# KiCad board ulx4m_panel.kicad_pcb (continued)
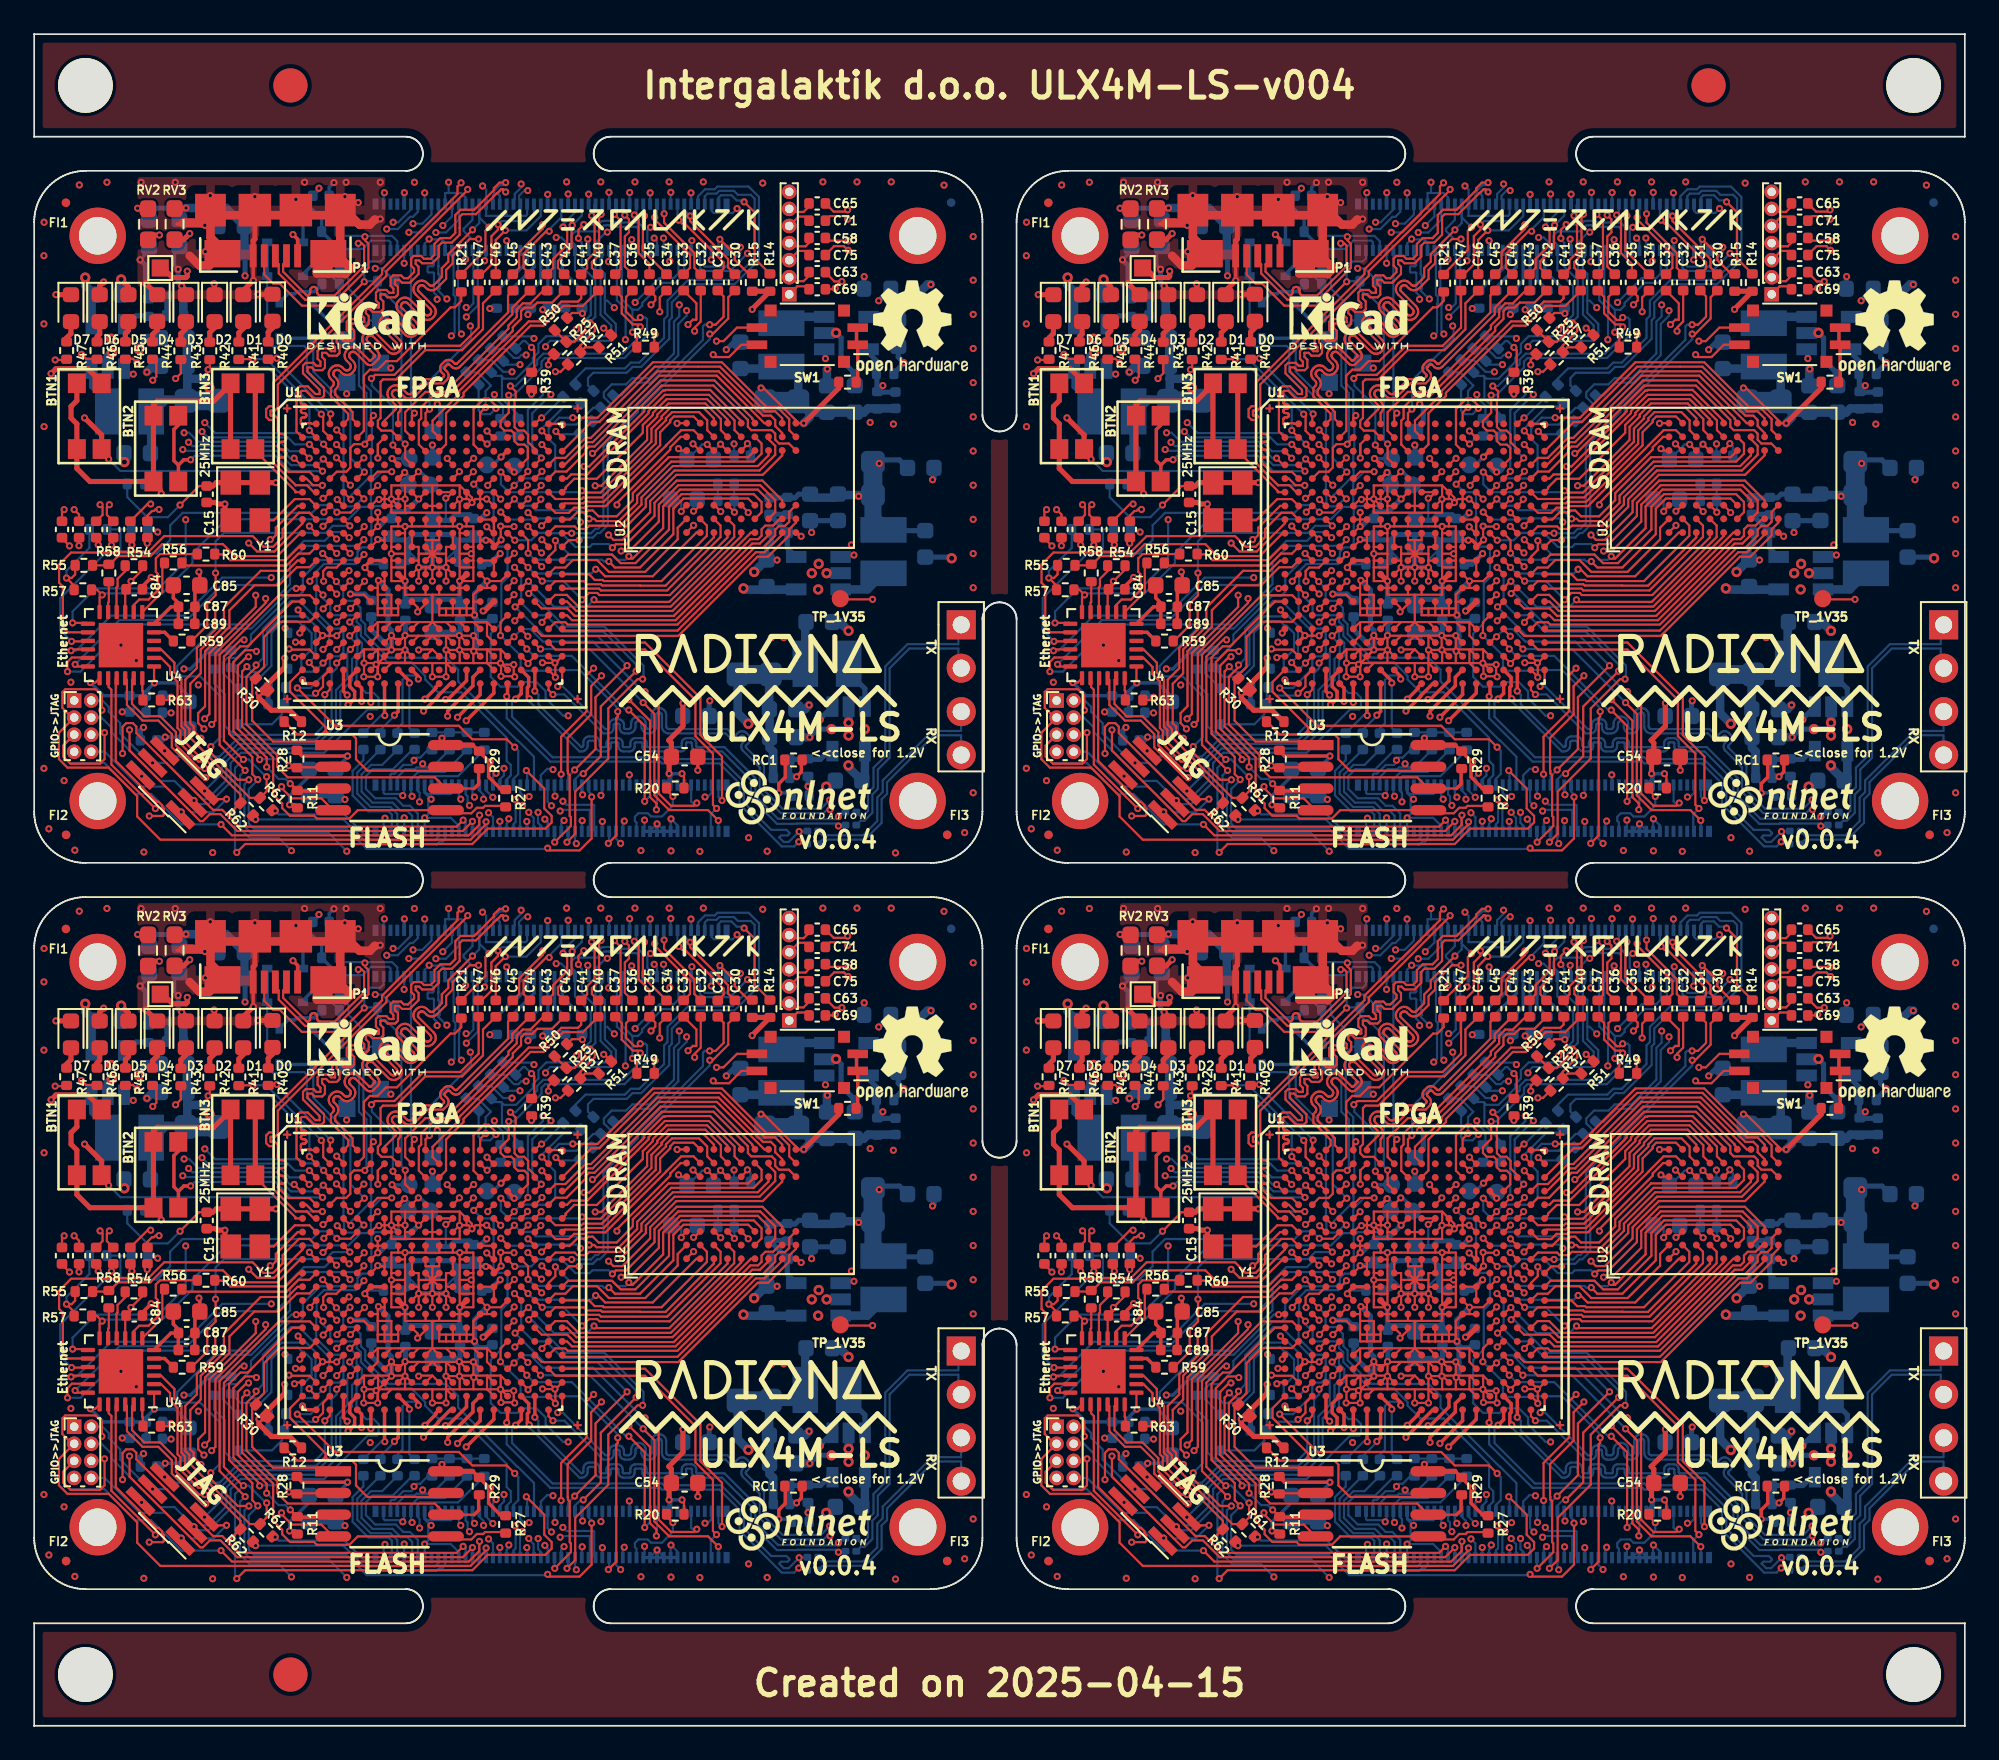
[diagram p0: board, top side]
## Routing (per net, layer and track width the routed paths; a pad name or vN(x,y) marks a point on that pad's centre or on a via; arc(x,y) is an arc through that point) (continued)
  Bottom w0.2: 45.34,54.45 45.34,54.94 v3(45.3,54.98) ; v1(5.15,59.34) 5.17,59.33 C86#4.2 ; C18#2.2 17.27,90.04 v1(17.55,90.32) ; C88#3.2 8,59.3 v1(8.02,59.28) ; v1(32.09,82.66) 32.07,82.68 R9.1 32.11,82.94 ; C49#4.2 6.73,86.33 v1(6.2,85.8) ; v3(8.43,85.24) 8.22,85.45 8.22,86.28 C53.2 ; v1(8.02,60.19) 7.92,60.29 C90#4.2 ; v1(21.67,89.73) 21.66,89.71 J2#2.8 ; v1(9.99,87.82) 10.04,87.77 C38.2
  Bottom w0.3: v1(26.51,67) 25.78,66.27 v1(25.78,65.01) 25.78,64.88 25.9,64.77 ; v1(23.31,67.8) 23.31,69.68 23.36,69.72 ; v1(23.31,67.8) v1(22.51,67.8) ; v1(23.31,67.8) v1(24.11,67.8) ; 25.9,64.77 25.9,64.63 ; 25.9,64.77 25.71,64.95 ; 25.9,64.63 25.9,63.75 ; 25.9,64.63 26.52,64.63 26.68,64.8 C29#3.2 ; v1(49.44,83.4) 49.44,83.4 C52#4.2 ; v1(45.51,69.84) 45.51,70.44 C95#4.2 47.05,70.53 C96#3.2 ; 25.9,63.75 25.85,63.8 v1(25.71,63.8) ; 25.9,63.75 25.89,63.24 ; 23.36,69.72 24.39,69.72 24.71,69.4 ; 23.36,69.72 22.21,69.72 21.91,69.42 ; 43.16,69.83 43.16,69.33 42.88,69.05 C76.2 43.48,68.23 v1(43.49,68.23) ; 6.69,83.48 6.69,84.26 v3(6.53,84.42) 6.53,85.47 v1(6.2,85.8) ; 25.6,69.4 25.61,69.4 25.75,69.4 ; C19#2.2 23.81,76.23 23.81,77.15 v3(23.6,77.36) ; 25.75,69.4 26.51,69.4 ; 25.75,69.4 25.73,69.42 C25#2.2 ; C13#3.2 24.75,67.98 24.71,68.02 24.71,69.4 ; v1(21.71,63.82) 21.73,63.83 C27.2 ; v1(39.55,59.99) 39.52,59.95 C16#3.2 ; v3(8.43,85.24) 8.43,84.48 v1(8.64,84.27) ; 26.51,69.4 24.71,69.4 ; 26.51,69.4 26.45,69.4 v1(26.44,69.39) ; C48#2.2 10.05,86.24 v1(10.02,86.27) ; v2(53.71,68.33) 53.64,68.4 C97.2 ; C24.2 40.96,80.98 v1(40.51,80.54) ; 19.74,64.93 19.74,64.14 v1(20.91,62.97) 20.91,64.1 20.71,64.31 20.71,66.48 v1(20.15,67.04) ; 20.94,69.4 21.91,69.4 21.91,68.08 ; v2(6.13,80.55) 6.13,80.76 6.59,81.22 ; 45.3,55.6 v3(45.3,54.98) ; v1(52.59,72.93) 52.67,73.01 C98.2 ; 46.65,55.32 46.65,55.06 ; v2(46.94,81.53) 47.24,81.23 47.24,79.95 48.02,79.17 ; v1(6.4,58.43) 6.22,58.25 C21.2 ; 50.3,79.13 50.92,79.75 v3(50.92,79.77) 50.58,80.11 C9#3.2 ; v1(25.73,62.89) 25.73,63.02 25.92,63.21 ; v3(18.19,54.21) 17.99,54.42 C51#3.2 C50#3.2 ; C17.2 24.69,64 v1(24.88,63.81) 24.93,63.86 C28#3.2 ; v2(46.68,58.33) 45.88,58.33 v3(45.4,57.86) ; 20.93,69.43 20.12,69.43 v1(20.11,69.43)
  Bottom w0.5: C8.2 46.41,79.38 v3(46.43,79.4) ; v2(47.67,58.71) 47.68,58.71 U5#3.2 ; C23#3.2 5.26,73.98 v2(5.28,73.96) ; v2(42.15,67.53) 42.85,68.23 C76.2 ; C3.2 v3(45.4,57.86) ; C4#3.2 45.12,59.49 v3(45.37,59.74) ; v2(4.54,80.36) 4.31,80.13 U6#3.2 ; v2(46.37,54.96) 46.55,54.96 C5.2 ; v2(47.67,64.08) 47.16,64.6 C22#2.2 ; C12#4.2 6.96,79.59 v3(6.6,79.23) ; 48.02,79.17 48.04,79.15 C7.2 ; 47.21,67.45 46.39,67.45 v2(46.39,67.46) ; C11.2 6.59,81.22 ; U7#4.2 46.97,81.51 ; C1#2.2 v2(5.09,84.65)
  vias: v1(0.58,88) v1(0.57,86.04) v1(0.57,82.05) v1(0.58,76.04) v1(0.57,56.04) v1(0.86,52.5) v1(1.75,55.32) v1(2.15,61.08) v1(2.38,51.25) v1(2.64,90.18) v1(4.26,90.34) v1(5.08,63.25) v1(5.98,62.35) v1(6.26,90.34) v1(6.42,51.14) v1(8.26,90.34) v1(10.45,51.11) v1(15.83,90.34) v1(18.26,90.34) v1(18.97,89.15) v1(20.26,90.34) v1(22.26,90.34) v1(31.17,90.36) v1(33.17,90.36) v1(35.17,90.36) v1(35.52,51.23) v1(37.17,90.36) v1(37.28,51.21) v1(38.97,51.18) v1(39.17,90.36) v1(41.82,51.98) v1(42.65,90.29) v1(42.91,51.19) v1(43.15,63.68) v1(43.88,63.68) v1(46.17,90.36) v1(47.84,69.11) v1(48.17,90.36) v1(48.94,76.28) v1(50.17,90.36) v1(50.3,76.18) v1(50.42,51.09) v1(53.26,90.17) v1(54.47,52.28) v1(54.97,87.16) v1(54.97,84.61) v1(54.97,82.61) v1(54.97,80.61) v1(54.97,78.61) v1(54.97,76.61) v1(54.97,74.61) v1(54.97,72.61) v1(54.97,70.61) v1(54.97,68.61) v1(54.97,66.61) v1(54.97,54.61) v2(4.51,81.18) v2(45.52,67.46) v2(45.93,68.01) v2(45.9,66.51) v2(47.67,57.96) v2(48.63,58.33)
Board_0-GP0: length 13.4
  Top w0.127: U1#2.B11 23.32,75.79 23.32,76.38 24.88,77.94 24.88,78.12 28.95,82.19 29.71,82.19 30.86,83.35 31.83,83.35 32.02,83.54 C41#3.1
Board_0-GP3: length 13.3
  Top w0.127: C43.1 29.8,84 29.05,83.25 28.61,83.25 28.25,82.89 28.25,82.44 27.76,81.96 27.76,81.77 24.06,78.07 22.91,78.07 21.72,76.88 21.72,75.79 U1#2.B9
Board_0-GP4: length 13.9
  Top w0.127: C45.1 27.74,83.72 27.74,82.72 24.76,79.74 24.74,79.72 24.72,79.71 24.69,79.7 24.67,79.7 24.65,79.71 24.62,79.72 24.6,79.74 24.5,79.84 24.44,79.89 24.37,79.92 24.3,79.94 24.22,79.94 24.14,79.92 24.07,79.89 24.01,79.84 23.86,79.69 23.81,79.63 23.78,79.56 23.76,79.48 23.76,79.41 23.78,79.33 23.81,79.26 23.86,79.2 23.97,79.1 23.98,79.08 23.99,79.05 24,79.03 24,79.01 23.99,78.98 23.98,78.96 23.97,78.94 23.84,78.82 22.94,78.82 22.12,78 22.08,77.97 22.04,77.95 21.99,77.94 21.94,77.94 21.89,77.95 21.84,77.97 21.8,78 21.48,78.32 21.4,78.38 21.31,78.43 21.22,78.45 21.12,78.45 21.02,78.43 20.93,78.38 20.85,78.32 20.81,78.28 20.75,78.2 20.7,78.11 20.68,78.01 20.68,77.91 20.7,77.82 20.75,77.72 20.81,77.65 21.13,77.32 21.16,77.29 21.18,77.24 21.19,77.19 21.19,77.14 21.18,77.09 21.16,77.05 21.13,77.01 20.51,76.39 U1#2.A7
Board_0-GP5: length 14.6
  Top w0.127: U1#2.C8 21,74.91 v1(21,74.96) ; C47#4.1 26.02,81.84 24.95,80.77 22.79,80.77 21.09,79.06 19.95,79.06 v1(19.74,78.86)
  Bottom w0.127: v1(21,74.96) 21,77.21 19.77,78.44 19.77,78.92
Board_0-GPIO2: length 19.7
  Top w0.127: v1(28.12,67.8) 28.51,67.41 U1#2.M17 ; v1(32.14,55.72) 33.17,56.75 33.17,59.66 v1(35.24,61.73)
  Bottom w0.127: v1(32.14,55.72) 31.99,55.72 31.66,55.39 J1.58 ; v1(28.12,67.8) 28.51,67.41 28.51,65.73 29.24,65 29.96,65 30.92,64.04 33.32,64.04 35.24,62.12 v1(35.24,61.73)
Board_0-GPIO3: length 16.9
  Top w0.127: v1(28.15,65.49) 28.2,65.49 U1#2.P17 ; v1(31.64,55.94) 32.86,57.16 32.86,60.2 v1(34.71,62.05)
  Bottom w0.127: v1(31.64,55.94) 31.26,55.56 J1.56 ; v1(28.15,65.49) 29.87,63.77 32.99,63.77 v1(34.71,62.05)
Board_0-GPIO4: length 14.9
  Top w0.127: U1#2.P16 27.71,65.82 v1(28.09,66.2) ; v1(32.75,61.9) 32.35,61.5 32.35,59.39 30.85,57.88 v1(30.85,55.69)
  In2signal.Cu w0.127: v1(28.09,66.2) 28.09,66.12 28.72,65.49 29.48,65.49 30.89,64.08 30.89,63.7 32.69,61.9 v1(32.75,61.9)
  Bottom w0.127: v1(30.85,55.69) 30.86,55.68 J1.54
Board_0-GPIO5: length 46.6
  Top w0.127: U1#2.N1 15.37,66.6 v1(15.34,66.57)
  In2signal.Cu w0.127: v1(10.34,57.31) 10.34,56.98 7.44,54.08 6.9,54.08 6.34,53.51 6.34,53.08 6.57,52.85 6.91,52.85 7.09,53.03 7.77,53.03 8.44,52.35 11.66,52.35 11.87,52.57 23.22,52.57 24.07,53.41 25.6,53.41 25.88,53.69 26.26,53.69 26.4,53.84 26.92,53.84 27.25,54.17 27.25,55.54 v1(27.04,55.75)
  Bottom w0.127: v1(15.34,66.57) 15.06,66.57 12.71,64.22 10.56,64.22 8.37,62.03 8.37,61.7 8.65,61.42 9.72,61.42 10.9,60.24 10.9,57.87 v1(10.34,57.31) ; v1(27.04,55.75) 26.86,55.57 J1.34
Board_0-GPIO6: length 21.3
  Top w0.127: v1(15.45,65.31) 15.45,65.26 U1#2.R1
  In2signal.Cu w0.127: v1(15.45,65.31) 15.81,64.95 15.81,64.29 16.7,63.4 18.28,63.4 19.34,63.4 20.49,62.25 20.74,62.25 20.81,62.31 24.5,62.31 25.27,61.54 25.27,60.13 26.63,58.77 26.63,57.07 26.23,56.67 26.23,54.3 v1(26.31,54.23) 26.31,54.32 26.3,54.32
  Bottom w0.127: J1.30 26.06,54.74 26.31,54.49 v1(26.31,54.23)
Board_0-GPIO7: length 21.6
  Top w0.127: U1#2.P3 16.92,65.41 v1(16.92,65.37)
  In2signal.Cu w0.127: v1(16.92,65.37) 16.92,64.71 17.43,64.2 18.28,64.2 18.9,64.2 20.53,62.57 24.63,62.57 25.52,61.68 25.52,60.24 26.9,58.86 26.9,57.16 27.63,56.44 27.69,56.44 27.9,56.23 27.9,54.54 27.76,54.39 27.76,53.11 v1(27.79,53.08)
  Bottom w0.127: v1(27.79,53.08) 27.79,52.93 27.66,52.8 J1.37
Board_0-GPIO8: length 21.2
  Top w0.127: v1(17.73,65.4) 17.73,65.42 U1#2.P4
  In2signal.Cu w0.127: v1(17.73,65.4) 18.13,65 18.71,65 20.34,63.37 25.09,63.37 25.3,63.16 25.3,62.29 25.79,61.8 25.79,60.33 27.16,58.96 27.16,57.27 27.73,56.69 27.8,56.69 28.16,56.33 28.16,54.2 v1(28.16,54.2)
  Bottom w0.127: J1.39 28.06,52.76 28.19,52.89 28.19,54.17 v1(28.16,54.2)
Board_0-GPIO9: length 29.9
  Top w0.127: U1#2.L5 18.95,68.2 v1(19.31,68.55) ; v1(28.13,57.27) 27.67,57.74 25.65,57.74 24.86,58.53 17.61,58.53 v1(15.4,60.74)
  Bottom w0.127: v1(15.4,60.74) 16.18,60.74 17.31,61.87 17.31,62.4 17.5,62.59 17.85,62.59 18.1,62.84 18.1,63.65 18.1,63.65 18.1,63.98 17.86,64.22 17.47,64.22 16.51,65.18 16.51,66.7 16.54,66.73 16.54,67.58 16.96,68 18.83,68 19.31,68.47 v1(19.31,68.55) ; J1.40 28.06,55.42 28.34,55.7 28.34,57.07 v1(28.13,57.27)
Board_0-GPIO10: length 63.8
  Top w0.127: v3(13.61,55.55) 13.61,54.7 R61.2 12.63,54.31 10.25,56.68 9.72,56.68 8.83,57.57 8.83,58.28 8.62,58.49 8.62,60.54 8.62,61.24 8.21,61.65 8.21,62.22 7.43,63 U4.3 ; v1(28.81,55.91) 29.86,54.86 29.86,53.69 30.29,53.25 30.29,52.87 29.93,52.51 26.55,52.51 25.65,51.61 12.35,51.61 v1(11.86,51.12) ; v1(12.25,56.56) 12.21,56.56 11.11,57.66 11.11,62.58 12.09,63.56 v1(12.29,63.56) ; v1(18.49,68.62) 18.49,68.62 U1#2.K4
  In2signal.Cu w0.127: v1(12.29,63.56) 12.54,63.81 12.54,66.55 15.22,69.23 17.15,69.23 17.38,69 18.11,69 v1(18.49,68.62)
  Bottom w0.127: v1(11.86,51.12) 11.76,51.22 11.76,56.06 v1(12.25,56.56) 12.56,56.56 13.57,55.55 v3(13.61,55.55) ; v1(28.81,55.91) 28.86,55.86 J1.44
Board_0-GPIO11: length 18.8
  Top w0.127: v1(16.91,66.18) 16.91,66.2 U1#2.N2
  Bottom w0.127: v1(16.91,66.18) 16.91,65.99 17.33,65.57 17.33,65.01 17.34,65 18.71,65 18.88,64.83 18.88,64.61 19.13,64.36 19.13,63.79 20.67,62.24 22.09,62.24 22.89,61.44 22.89,61.24 23.64,60.49 25,60.49 27.66,57.83 27.66,56.47 27.9,56.23 27.9,55.63 27.66,55.38 J1.38
Board_0-GPIO12: length 57.9
  Top w0.127: U1#2.L2 16.12,67.81 15.38,67.81 14.32,66.75 12.89,66.75 11.43,65.29 11.43,64.32 10,62.89 10,59.67 9.6,59.27 9.6,58.69 v1(9.94,58.35) ; v3(26.45,52.91) 26.45,52.77 25.54,51.86 7.39,51.86 6.03,53.22 6.03,54.41 4.36,56.08 1.95,56.08 1.45,56.58 1.45,58.12 J6#2.3 2.22,59.01 1.65,59.58 1.65,60.5 1.82,60.67 3.59,60.67 3.96,60.29 v1(3.96,59.44)
  In2signal.Cu w0.127: v1(9.94,58.35) 9.73,58.56 7.14,58.56 6.47,57.88 5.4,57.88 4.24,59.05 4.13,59.05 4.13,59.28 v1(3.96,59.44)
  Bottom w0.127: v3(26.45,52.91) 26.46,52.9 26.46,52.5
Board_0-GPIO13: length 21.1
  Top w0.127: v1(15.55,63.96) 15.55,64.04 U1#2.T1
  In2signal.Cu w0.127: v1(15.55,63.96) 15.55,63.79 16.74,62.6 17.26,62.6 17.31,62.55 17.31,61.61 17.64,61.28 18.67,61.28 19.08,60.87 20.8,60.87 21.99,62.06 24.39,62.06 25.01,61.43 25.01,60.03 26.36,58.68 26.36,57.21 25.77,56.62 v1(25.77,54.35)
  Bottom w0.127: J1.28 25.66,54.47 v1(25.77,54.35)
Board_0-GPIO14: length 22
  Top w0.127: U1#2.N18 29.28,66.6 v1(28.95,66.27) ; v1(31.19,51.72) 31.67,52.2 31.67,54.67 33.61,56.61 33.61,59.54 35.32,61.26 v1(35.62,61.26)
  Bottom w0.127: v1(31.19,51.72) 31.26,51.78 J1.55 ; v1(28.95,66.27) 29.12,66.27 31.06,64.33 33.39,64.33 35.67,62.05 35.67,61.31 v1(35.62,61.26)
Board_0-GPIO15: length 20.6
  Top w0.127: U1#2.N16 27.71,66.63 v1(28.1,67.02) ; v1(33.21,61.46) 32.61,60.85 32.61,59.19 31.23,57.82 31.23,55.9 31.25,55.88 31.25,55.73 31.35,55.63 31.35,53.25 31.42,53.18 31.42,52.66 v1(30.47,51.72)
  In2signal.Cu w0.127: v1(33.21,61.46) 33.41,61.66 33.41,61.9 31.14,64.17 31.14,64.31 29.71,65.74 28.88,65.74 28.53,66.09 28.53,66.59 v1(28.1,67.02)
  Bottom w0.127: v1(30.47,51.72) 30.46,51.73 J1.51
Board_0-GPIO16: length 56.1
  Top w0.127: v1(4.12,58.13) 4.12,56.58 3.85,56.31 2.13,56.31 1.7,56.74 1.7,57.37 J6#2.5 ; v1(9.76,57.8) 9.34,58.22 9.34,58.48 9.14,58.68 9.14,60.99 9.75,61.6 9.75,62.99 11.11,64.35 11.11,65.45 13.26,67.6 14.82,67.6 15.42,68.2 U1#2.L1 ; v3(26.07,53.29) 26.05,53.28 26.05,52.73 25.44,52.11 11.58,52.11 v1(10.94,52.75)
  In2signal.Cu w0.127: v1(4.12,58.13) 4.24,58.25 4.68,58.25 5.3,57.63 6.57,57.63 7.25,58.31 9.25,58.31 v1(9.76,57.8)
  Bottom w0.127: J6#2.5 1.72,57.39 1.72,56.71 2.09,56.35 4.12,56.35 5.93,54.54 6.84,54.54 8.63,52.75 v1(10.94,52.75) ; v3(26.07,53.29) 26.05,53.28 26.05,52.5 26.06,52.5
Board_0-GPIO17: length 67.2
  Top w0.127: U1#2.H3 16.92,70.21 v1(16.91,70.21)
  In2signal.Cu w0.127: v1(16.91,70.21) 16.07,71.05 8.62,71.05 8.35,70.78 1.4,70.78 0.87,70.25 0.87,56.33 1.04,56.16 1.04,53.18 2.68,51.54 6.61,51.54 6.64,51.51 11.89,51.51 12.19,51.81 29.17,51.81 30.33,52.96 30.33,53.8 v1(30.28,53.85)
  Bottom w0.127: v1(30.28,53.85) 30.06,54.07 J1.50
Board_0-GPIO18: length 25.4
  Top w0.127: U1#2.N5 18.95,66.6 v1(19.34,66.99)
  In2signal.Cu w0.127: v1(19.34,66.99) 20.35,65.98 26.48,65.98 26.94,65.52 26.94,64.04 26.9,64 26.9,63.61 26.9,63.61 26.9,60.82 26.98,60.74 28.71,60.74 29.13,61.16 29.29,61.16 29.71,60.74 29.71,59.32 29.72,59.31 29.72,55.24 29.88,55.08 29.88,53.6 30.07,53.41 30.07,53.24 v1(29.89,53.06)
  Bottom w0.127: J1.49 30.06,52.9 v1(29.89,53.06)
Board_0-GPIO19: length 21.9
  Top w0.127: v1(15.3,63.42) 15.32,63.4 U1#2.U1
  In2signal.Cu w0.127: v1(15.3,63.42) 15.52,63.42 16.5,62.44 16.5,61.61 17.11,61 18.58,61 18.97,60.61 20.9,60.61 22.09,61.8 24.29,61.8 24.76,61.33 24.76,59.92 26.11,58.57 26.11,57.33 25.37,56.59 25.37,53.97 v1(25.48,53.87)
  Bottom w0.127: J1.26 25.26,54.52 25.37,54.4 25.37,53.97 v1(25.48,53.87)
Board_0-GPIO20: length 48.1
  Top w0.127: v3(25.65,52.93) 25.09,52.37 11.89,52.37 10.9,53.35 10.28,53.35 9.88,52.94 9.72,52.94 5.58,57.08 v1(5.58,58.28) ; v1(9.98,58.94) 10.26,59.21 10.26,62.77 12.97,65.49 v1(12.97,66.17) ; U1#2.L3 16.9,68.61 v1(16.89,68.61)
  In2signal.Cu w0.127: v1(12.97,66.17) 13.59,66.79 14,66.79 15.15,67.94 16.22,67.94 v1(16.89,68.61) ; J6#2.1 2.99,60.66 4.48,60.66 5.58,59.56 v1(5.58,58.28) 6.13,58.83 9.88,58.83 v1(9.98,58.94)
  Bottom w0.127: 25.66,52.5 25.66,52.93 v3(25.65,52.93)
Board_0-GPIO21: length 62.3
  Top w0.127: 11.34,53.28 12.06,54.01 R62#4.2 12.08,54.5 10.15,56.43 9.61,56.43 8.56,57.48 8.56,58.23 8.39,58.4 8.39,61.11 7.96,61.54 7.96,61.97 7.43,62.5 U4.2 ; 11.34,53.28 11.99,52.62 24.73,52.62 v3(25.11,53) ; 11.34,53.28 11.01,53.61 10.47,53.61 5.98,58.09 5.98,58.48 5.77,58.68 5.39,58.68 5.17,58.47 v1(5.17,56.91) ; U1#2.L4 17.7,67.79 17.12,67.79 16.92,67.58 16.92,67.01 v1(16.94,66.99) ; v1(13.55,65.98) 13.55,65.72 10.61,62.78 10.61,58.83 v1(10.39,58.61)
  In2signal.Cu w0.127: v1(13.55,65.98) 15.01,67.44 16.48,67.44 16.93,66.99 v1(16.94,66.99) ; v1(10.39,58.61) 10.39,57.89 8.96,56.46 7.52,56.46 7.07,56.91 v1(5.17,56.91) 4.79,56.91 4.27,56.39 2.96,56.39 J6#2.7
  Bottom w0.127: J1.25 25.26,52.86 v3(25.11,53)
Board_0-GPIO22: length 19.6
  Top w0.127: v1(17.69,66.97) 17.31,67.35 U1#2.M3
  Bottom w0.127: J1.46 29.26,56.71 28.31,57.66 28.28,57.66 24.82,61.12 24.82,61.81 24.12,62.51 20.93,62.51 20.92,62.52 20.76,62.52 19.38,63.9 19.38,64.47 19.13,64.72 19.13,65.1 19.1,65.13 19.1,65.44 18.7,65.84 18.15,65.84 18.09,65.9 18.09,66.56 17.69,66.96 v1(17.69,66.97)
Board_0-GPIO23: length 23.9
  Top w0.127: v1(18.49,67) 18.11,66.62 U1#2.N4
  In2signal.Cu w0.127: v1(18.49,67) 19.77,65.72 26.38,65.72 26.68,65.42 26.68,64.14 26.64,64.1 26.64,63.51 26.64,63.51 26.64,60.62 27.24,60.03 27.26,60.03 29.46,57.82 29.46,55.13 29.63,54.97 29.63,53.59 v1(29.5,53.46)
  Bottom w0.127: J1.47 29.66,52.68 29.49,52.85 29.49,53.46 v1(29.5,53.46)
Board_0-GPIO24: length 23.4
  Top w0.127: U1#2.N3 17.35,66.6 v1(17.71,66.24)
  In2signal.Cu w0.127: v1(28.95,53.46) 28.95,53.51 29.37,53.93 29.37,54.86 29.21,55.03 29.21,57.63 26.39,60.45 26.39,63.4 26.39,63.4 26.39,64.05 25.9,64.54 20.02,64.54 18.75,65.81 18.14,65.81 v1(17.71,66.24)
  Bottom w0.127: v1(28.95,53.46) 28.95,53.42 29.24,53.13 29.24,52.36 J1.45
Board_0-GPIO25: length 21.5
  Top w0.127: U1#2.P5 18.52,65.4 v1(18.52,65.4)
  In2signal.Cu w0.127: v1(18.52,65.4) 18.8,65.4 19.97,64.23 25.85,64.23 26.13,63.94 26.13,63.3 26.14,63.3 26.14,60.34 27.41,59.07 27.41,57.37 27.84,56.94 27.9,56.94 28.41,56.44 28.41,55.67 28.57,55.51 28.57,53.89 v1(28.59,53.87)
  Bottom w0.127: J1.41 28.44,52.36 28.44,53.72 v1(28.59,53.87)
Board_0-GPIO26: length 17.3
  Top w0.127: U1#2.V1 15.31,62.6 v1(15.24,62.52)
  In2signal.Cu w0.127: v1(24.97,54.23) 23.29,55.91 23.29,60.32 23.1,60.51 21.44,60.51 21.4,60.47 21.39,60.47 21.28,60.36 18.87,60.36 18.48,60.75 17,60.75 v1(15.24,62.52)
  Bottom w0.127: v1(24.97,54.23) 24.86,54.34 J1.24
Board_0-GPIO27: length 31.5
  Top w0.127: v1(28.14,64.67) 28.46,65 U1#2.R17
  In2signal.Cu w0.127: v1(30.37,55.97) 30.37,55.36 30.42,55.32 30.66,55.32 31.49,54.49 31.49,52.69 32.93,51.25 34.83,51.25 35.46,51.88 37.42,51.88 37.92,52.38 37.92,54.54 37.56,54.9 37.23,54.9 36.55,55.58 36.55,56.89 35.21,58.23 35.21,60.28 34.91,60.58 33.2,60.58 30.06,63.72 29.91,63.72 28.96,64.67 v1(28.14,64.67)
  Bottom w0.127: J1.48 29.66,55.63 30.03,56.01 30.33,56.01 v1(30.37,55.97)
Board_0-HDMI0_CEC: length 2.5
  Bottom w0.2: R8#4.2 30.46,84.61 30.46,86.2
Board_0-HDMI0_CLK_N: length 5.3
  Top w0.127: C30#4.2 40.62,85.36 40.62,85.84 38.4,88.06 v1(38.4,88.36)
  Bottom w0.127: J2#2.90 38.06,88.7 v1(38.4,88.36)
Board_0-HDMI0_CLK_P: length 5.5
  Top w0.127: v1(37.73,88.12) 37.94,87.91 38.1,87.91 40.36,85.65 40.36,85.3 C31#2.2
  Bottom w0.127: v1(37.73,88.12) 37.66,88.19 J2#2.88
Board_0-HDMI0_HOTPLUG: length 2.9
  Bottom w0.2: 30.86,86.2 30.86,85.67 30.92,85.6 30.92,84.88 31.19,84.88 R9.2
Board_0-HDMI0_SCL: length 6.9
  Top w0.127: R14#3.2 42.17,85.88 42.17,88.58 v1(41.56,89.19)
  Bottom w0.127: v1(41.56,89.19) 41.48,89.27 41.13,89.27 40.82,89.58 40.21,89.58 40.06,89.43 J2#2.100
Board_0-HDMI0_SDA: length 3.6
  Top w0.127: v1(40.14,87) 41.02,86.12 41.02,85.78 41.83,84.98 R15#4.2
  Bottom w0.127: J2#2.99 40.06,86.91 v1(40.14,87)
Board_0-HDMI0_TX0_N: length 5
  Top w0.127: v1(36.88,88.49) 36.88,87.97 38.65,86.2 38.65,85.33 C32.2
  Bottom w0.127: v1(36.88,88.49) 36.86,88.51 J2#2.84
Board_0-HDMI0_TX0_P: length 5.2
  Top w0.127: v1(36.33,88.28) 36.33,88.16 38.39,86.1 38.39,85.33 C33#4.2
  Bottom w0.127: J2#2.82 36.46,88.41 v1(36.33,88.28)
Board_0-HDMI0_TX1_N: length 5.1
  Top w0.127: C34.2 35.64,86.34 35.64,88.28 v1(35.73,88.37) 35.73,88.36 35.73,88.04
  Bottom w0.127: J2#2.78 35.66,88.44 v1(35.73,88.37)
Board_0-HDMI0_TX1_P: length 4.5
  Top w0.127: C35.2 36.02,85.56 35.38,86.19 35.38,88.17 v1(35.13,88.42)
  Bottom w0.127: v1(35.13,88.42) 35.26,88.55 J2#2.76
Board_0-HDMI0_TX2_N: length 4.5
  Top w0.127: v1(34.58,88.41) 34.82,88.17 34.82,87.41 34.58,87.17 34.58,85.4 C36#4.2
  Bottom w0.127: v1(34.58,88.41) 34.46,88.53 J2#2.72
Board_0-HDMI0_TX2_P: length 4.4
  Top w0.127: C37#4.2 34.32,85.26 34.32,88.09 v1(33.97,88.45)
  Bottom w0.127: J2#2.70 34.06,88.54 v1(33.97,88.45)
Board_0-HDMI1_CEC: length 2.2
  Bottom w0.2: 30.06,86.2 30.06,84.73 30.07,84.71 R16#3.2
Board_0-HDMI1_CLK_N: length 4.5
  Top w0.127: v1(33.19,88.47) 33.07,88.35 33.07,86.09 32.65,85.67 32.65,85.33 C40.2
  Bottom w0.127: v1(33.19,88.47) 33.26,88.54 J2#2.66
Board_0-HDMI1_CLK_P: length 4.6
  Top w0.127: 32.69,88.18 32.81,88.06 32.81,86.22 32.37,85.79 32.37,85.31 C41#3.2
  Top w0.2: v1(32.63,88.38) 32.63,88.24 32.69,88.18
  Bottom w0.127: J2#2.64 32.78,88.98 32.78,88.53 v1(32.63,88.38)
Board_0-HDMI1_HOTPLUG: length 3
  Bottom w0.2: R17#4.2 27.91,84.82 28.01,84.82 28.86,85.67 28.86,86.2
Board_0-HDMI1_SCL: length 2.5
  Bottom w0.2: R10#2.2 29.07,83.99 29.66,84.58 29.66,86.2
Board_0-HDMI1_SDA: length 2.7
  Bottom w0.2: 29.26,86.2 29.26,85.36 28.07,84.17 R13.2
Board_0-HDMI1_TX0_N: length 4.8
  Top w0.127: C42#2.2 30.66,85.32 30.66,85.72 31.46,86.52 31.46,87.78 v1(31.5,87.82)
  Bottom w0.127: v1(31.5,87.82) 32.06,88.38 J2#2.60
Board_0-HDMI1_TX0_P: length 5
  Top w0.127: v1(30.96,87.71) 31.2,87.47 31.2,86.67 30.38,85.85 30.38,85.32 C43.2
  Bottom w0.127: J2#2.58 31.66,88.57 30.96,87.87 v1(30.96,87.71)
Board_0-HDMI1_TX1_N: length 5.3
  Top w0.127: v1(30.15,87.47) 29.97,87.47 28.65,86.15 28.65,85.33 C44#4.2
  Bottom w0.127: v1(30.15,87.47) 30.15,87.58 30.86,88.28 J2#2.54
Board_0-HDMI1_TX1_P: length 5.1
  Top w0.127: v1(29.76,87.85) 29.76,87.62 28.39,86.25 28.39,85.33 C45.2
  Bottom w0.127: v1(29.76,87.85) 30.46,88.55 J2#2.52
Board_0-HDMI1_TX2_N: length 5.9
  Top w0.127: C46.2 27.02,86.96 v1(27.58,87.52)
  Bottom w0.127: v1(27.58,87.52) 28.82,87.52 29.66,88.36 J2#2.48
Board_0-HDMI1_TX2_P: length 6.5
  Top w0.127: v1(27.15,87.86) 27.15,87.56 26.77,87.17 26.77,85.52 26.2,84.96 C47#4.2
  Bottom w0.127: v1(27.15,87.86) 27.36,88.07 28.94,88.07 29.26,88.38 J2#2.46
Board_0-ID_SC: length 62.4
  Top w0.127: v1(17.7,69.46) 17.36,69.8 U1#2.J3
  In2signal.Cu w0.127: v1(17.7,69.46) 17.62,69.54 15.82,69.54 15.25,70.11 8.62,70.11 8.2,70.52 1.5,70.52 1.12,70.15 1.12,56.43 1.29,56.26 1.29,53.28 2.79,51.79 11.81,51.79 12.08,52.06 26.53,52.06 27.26,52.79 v1(27.26,52.94)
  Bottom w0.127: v1(27.26,52.94) 27.26,52.93 J1.35
Board_0-ID_SD: length 63.1
  Top w0.127: v1(12.56,69.22) 13.05,68.73 14.06,68.73 15.71,70.38 U1#2.H1
  In2signal.Cu w0.127: 12.6,69.31 12.1,69.81 8.05,69.81 7.59,70.27 1.61,70.27 1.38,70.04 1.38,56.54 1.78,56.14 5.07,56.14 5.93,55.28 5.93,53.13 6.46,52.59 7.01,52.59 7.19,52.77 7.66,52.77 8.34,52.1 11.76,52.1 11.98,52.31 26.43,52.31 26.86,52.75 26.86,53.13 27.5,53.77 27.5,56.04 v1(27.5,56.04)
  Bottom w0.127: J1.36 27.26,55.38 27.5,55.63 v1(27.5,56.04)
Board_0-JTAG_TCK: length 26.5
  Top w0.127: v1(18.47,63.8) 18.51,63.8 U1#2.T5
  Bottom w0.127: v1(18.47,63.8) 18.47,63.73 18.92,63.28 18.92,62.75 18.61,62.44 18.61,61.2 17.92,60.51 17.92,59.95 17.92,59.94 17.92,58.37 16.74,57.2 12,57.2 11.25,56.44 11.25,55.34 10.14,54.24 9.87,54.24 7.76,56.35 v1(6.93,56.35) 6.77,56.35 5.04,58.08 5.04,58.67 4.36,59.35 4.36,59.63 4,60 3.35,60 J6#2.2
Board_0-JTAG_TDI: length 28.9
  Top w0.127: U1#2.R5 18.51,64.6 v1(18.48,64.6)
  Bottom w0.127: J6#2.4 3.94,59.01 4.52,58.43 4.52,58.16 7.38,55.3 8.22,55.3 v1(9.36,54.15) 9.57,53.94 10.22,53.94 11.5,55.23 11.5,56.35 12.1,56.95 16.98,56.95 19.52,59.49 20.06,59.49 20.16,59.59 20.16,60.17 19.88,60.45 19.43,60.45 18.87,61.01 18.87,62.34 19.18,62.65 19.18,63.38 18.87,63.69 18.87,64.2 v1(18.48,64.6)
Board_0-JTAG_TDO: length 19.6
  Top w0.127: v1(17.71,62.2) U1#2.V4
  In2signal.Cu w0.127: J6#2.6 3.62,57.73 4.45,57.73 4.8,57.38 7.32,57.38 v1(7.64,57.06)
  Bottom w0.127: v1(7.64,57.06) 7.97,56.73 10.85,56.73 11.84,57.72 16.5,57.72 17.42,58.63 17.42,61.61 17.71,61.9 v1(17.71,62.2)
Board_0-JTAG_TMS: length 26.3
  Top w0.127: U1#2.U5 v1(18.51,63) ; v1(11.26,54.24) 10.44,54.24 v1(9.97,54.71)
  Bottom w0.127: v1(11.26,54.24) 10.49,53.47 9.2,53.47 7.7,54.97 6.17,54.97 4.13,57.01 J6#2.8 ; v1(18.51,63) 18.33,62.82 18.33,61.28 17.67,60.62 17.67,60.05 17.66,60.05 17.66,58.53 16.6,57.47 11.92,57.47 10.99,56.54 10.99,55.74 v1(9.97,54.71)
Board_0-LED0: length 5.7
  Top w0.127: 13.7,80.01 14.18,80.01 v1(14.21,80.04) ; U1#2.A3 17.31,76.73 v1(17.36,76.78)
  Bottom w0.127: v1(17.36,76.78) 14.21,79.93 v1(14.21,80.04)
Board_0-LED1: length 7.7
  Top w0.127: v1(16.81,76.76) 16.92,76.65 16.92,75.79 U1#2.B3 ; v1(12.81,79.99) 11.99,79.99
  Bottom w0.127: v1(12.81,79.99) 13.58,79.99 v1(16.81,76.76)
Board_0-LED2: length 9.5
  Top w0.127: U1#2.B2 16.11,75.8 v1(16.11,75.82) ; 10.28,79.99 10.28,79.47 v1(10.18,79.37)
  Bottom w0.127: v1(10.18,79.37) 10.3,79.49 13.7,79.49 16.11,77.08 v1(16.11,75.82)
Board_0-LED3: length 12.6
  Top w0.127: U1#2.C3 16.94,74.96 v1(16.94,75.01) ; 8.59,79.99 8.59,79.15 v1(8.28,78.85)
  In2signal.Cu w0.127: v1(9.99,76.27) 9.91,76.27 8.28,77.9 v1(8.28,78.85)
  Bottom w0.127: v1(16.94,75.01) 16.53,75.42 15.79,75.42 15.55,75.66 10.6,75.66 v1(9.99,76.27)
Board_0-LED4: length 12.8
  Top w0.127: 6.93,80.01 7.15,79.78 7.15,78.96 v1(6.94,78.75) ; U1#2.C2 v1(16.11,75)
  In2signal.Cu w0.127: v1(6.94,78.75) 6.94,78.63 v1(9.82,75.75)
  Bottom w0.127: v1(9.82,75.75) 10.17,75.4 14.85,75.4 15.26,75 v1(16.11,75)
Board_0-LED5: length 14.5
  Top w0.127: 5.34,80.01 5.78,80.01 v1(6.02,79.77) ; U1#2.C1 15.71,74.58 v1(16.1,74.19)
  In2signal.Cu w0.127: v1(8.78,75.67) 6.2,78.25 6.2,79.59 v1(6.02,79.77)
  Bottom w0.127: v1(16.1,74.19) 15.69,74.6 14.94,74.6 14.39,75.15 9.6,75.15 9.07,75.67 v1(8.78,75.67)
Board_0-LED6: length 16.6
  Top w0.127: 3.68,80.01 3.03,80.01 v1(2.77,80.27) ; U1#2.D1 15.61,73.8 v1(15.22,74.19)
  In2signal.Cu w0.127: v1(9.04,75.12) 8.74,75.12 5.22,78.64 4.69,78.64 3.07,80.27 v1(2.77,80.27)
  Bottom w0.127: v1(15.22,74.19) 14.98,74.19 14.27,74.89 9.26,74.89 v1(9.04,75.12)
Board_0-LED7: length 19.6
  Top w0.127: U1#2.D3 17.27,73.8 v1(16.92,74.14) ; v1(1.23,79.94) 1.83,79.94 1.9,80.01
  In2signal.Cu w0.127: v1(8.7,74.69) 5.83,77.56 5.82,77.56 5,78.39 4.51,78.39 3.13,79.77 1.4,79.77 v1(1.23,79.94)
  Bottom w0.127: v1(8.7,74.69) 8.77,74.62 14.19,74.62 15.03,73.78 16.56,73.78 v1(16.92,74.14)
Board_0-Net-(BTN1-Pad1): length 25.6
  Top w0.127: BTN2#4.1 7.44,72.37 v3(7.44,72.11)
  Top w0.3: BTN3.1 BTN3.1 11.5,78.51 10.51,77.53 7.21,77.53 6.98,77.3 BTN2#4.1 BTN2#4.1 3.27,72.82 2.5,73.59 BTN1#2.1 2.5,76.2 2.16,76.54 2.16,77.22 2.5,77.56 BTN1#2.1
  Bottom w0.127: v3(7.44,72.11) 6.87,72.68 R18#3.1
Board_0-Net-(R70-Pad2): length 3.2
  Top w0.2: 48.14,81.82 48.14,80.82 ; SW1#4.1 48.21,78.73 R70#2.2
Board_0-Net-(RC1-Pad1): length 2.9
  Top w0.2: v1(43.59,54.6) 43.59,55.14 43.97,55.52 43.97,56.53
  Bottom w0.2: v1(43.59,54.6) 44.23,54.6 44.38,54.45
Board_0-Net-(U1A-PT13B): length 1.5
  Top w0.2: v1(20.95,74.17) 21.31,73.81 U1#2.D8
  Bottom w0.2: TP_D8#3.1 20.96,74.16 v1(20.95,74.17)
Board_0-Net-(U1A-PT20B): length 1.7
  Top w0.127: U1#2.E9 22.11,73.02 v1(22.49,73.4)
  Bottom w0.2: v1(22.49,73.4) 22.6,73.4 23.17,72.83 TP_E9#2.1
Board_0-Net-(U1B-GR_PCLK1_0): length 11.6
  Top w0.127: v1(24.18,74.17) 24.18,74.13 U1#2.D12
  In2signal.Cu w0.127: v1(24.18,74.17) 24.62,74.61 24.62,76.62 25.26,77.26 25.26,78.02 27.47,80.23 v1(28.8,80.23)
  Bottom w0.127: R26#4.2 27.54,80.6 28.08,80.05 28.35,80.05 28.52,80.23 v1(28.8,80.23)
